# KiCad board MEP-MAXI-85V-1-REV-2-Interface-Board.kicad_pcb (continued)
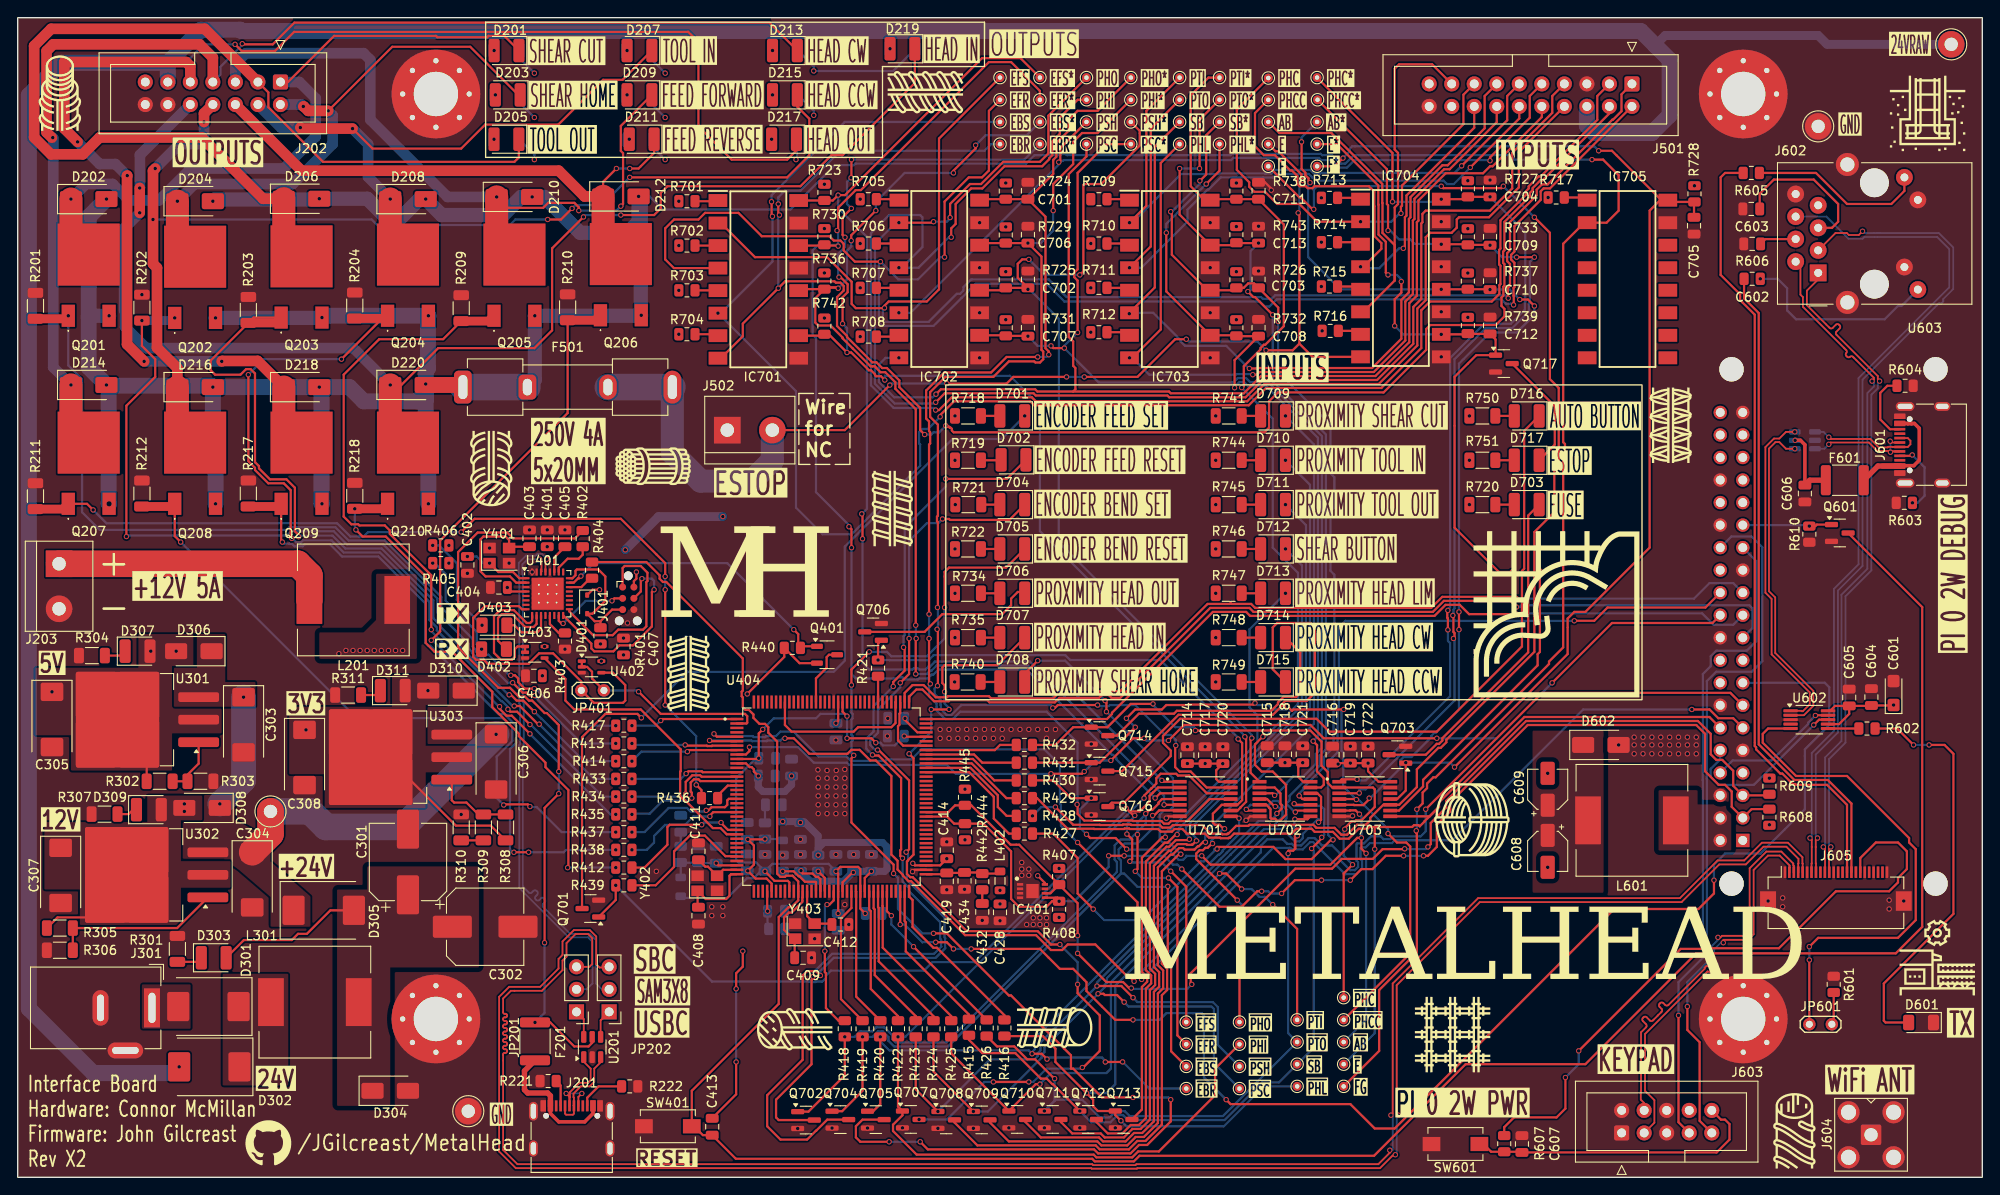
[diagram p0: board, top side]
## Nets (continued)
/ATMEL SAM3X8/XOUT32: C412.1 U404.49 Y403.3
/ATMEL SAM3X8/XTAL1: C402.1 U401.1 Y401.1
/ATMEL SAM3X8/XTAL2: C403.1 U401.2 Y401.3
/Output Connections/2D+: J201.A6 J201.B6 U201.1
/Output Connections/2D-: J201.A7 J201.B7 U201.3
/Output Connections/FUSED_GND: D202.2 D204.2 D206.2 D208.2 D210.2 D212.2 D214.2 D216.2 D218.2 D220.2 F501.1 IC705.2 Q201.3 Q202.3 Q203.3 Q204.3 Q205.3 Q206.3 Q207.3 Q208.3 Q209.3 Q210.3 TP705.1
/Output Connections/SBC-USB2-D+: J605.5 JP201.3
/Output Connections/SBC-USB2-D-: J605.4 JP202.3
/Output Connections/SOL_FEED_FORWARD: D209.1 D210.1 J202.5 Q205.2
/Output Connections/SOL_FEED_REVERSE: D211.1 D212.1 J202.6 Q206.2
/Output Connections/SOL_HEAD_CCW: D215.1 D216.1 J202.8 Q208.2
/Output Connections/SOL_HEAD_CW: D213.1 D214.1 J202.7 Q207.2
/Output Connections/SOL_HEAD_IN: D219.1 D220.1 J202.10 Q210.2
/Output Connections/SOL_HEAD_OUT: D217.1 D218.1 J202.9 Q209.2
/Output Connections/SOL_SHEER_CUT: D201.1 D202.1 J202.1 Q201.2
/Output Connections/SOL_SHEER_HOME: D203.1 D204.1 J202.2 Q202.2
/Output Connections/SOL_TOOL_IN: D207.1 D208.1 J202.4 Q204.2
/Output Connections/SOL_TOOL_OUT: D205.1 D206.1 J202.3 Q203.2
/Output Connections/USBC-D+: JP201.1 U201.6
/Output Connections/USBC-D-: JP202.1 U201.4
/Output Connections/VUSB: F201.1 J201.A4 J201.A9 J201.B4 J201.B9
/Pi Zero 2W SBC/2D+: J601.A6 J601.B6 U601.1
/Pi Zero 2W SBC/2D-: J601.A7 J601.B7 U601.3
/Pi Zero 2W SBC/D+: U601.6 U602.1
/Pi Zero 2W SBC/D-: U601.4 U602.2
/Pi Zero 2W SBC/EPHY-RXN: J602.R6 J605.7
/Pi Zero 2W SBC/EPHY-RXP: J602.R3 J605.8
/Pi Zero 2W SBC/EPHY-TXN: J602.R2 J605.10
/Pi Zero 2W SBC/EPHY-TXP: J602.R1 J605.11
/Pi Zero 2W SBC/LINEOUTL: J605.22
/Pi Zero 2W SBC/LINEOUTR: J605.23
/Pi Zero 2W SBC/LRADC: J605.13
/Pi Zero 2W SBC/PC12: U603.36
/Pi Zero 2W SBC/PC15: J605.15 R605.2
/Pi Zero 2W SBC/PC16: J605.16 R606.2
/Pi Zero 2W SBC/PH4: U603.18
/Pi Zero 2W SBC/PH10/IR_RX: J605.17
/Pi Zero 2W SBC/PI0/ATSAM3X8E-RESET: Q601.1 R610.1 U603.29
/Pi Zero 2W SBC/PI2: U603.35
/Pi Zero 2W SBC/PI3: U603.40
/Pi Zero 2W SBC/PI4: U603.38
/Pi Zero 2W SBC/PI13: U603.7
/Pi Zero 2W SBC/PI15: U603.31
/Pi Zero 2W SBC/PI16: U603.37
/Pi Zero 2W SBC/PWM1: U603.32
/Pi Zero 2W SBC/PWM2: U603.33
/Pi Zero 2W SBC/PWM4/UART4_RX: U603.16
/Pi Zero 2W SBC/PWRON: J605.18 R607.1
/Pi Zero 2W SBC/PWRSW: C607.1 J603.10 R607.2 SW601.1
/Pi Zero 2W SBC/SPI1_CS1: U603.26
/Pi Zero 2W SBC/TNOW: R602.2 U602.6
/Pi Zero 2W SBC/TV-OUT: J605.20
/Pi Zero 2W SBC/TWI2_SCL/UART3_TX: J603.9 U603.28
/Pi Zero 2W SBC/TWI2_SDA/UART3_RX: J603.7 U603.27
/Pi Zero 2W SBC/UART0_RX: U602.8 U603.10
/Pi Zero 2W SBC/UART0_TX: U602.9 U603.8
/Pi Zero 2W SBC/USB3-D+: J603.4 J605.3
/Pi Zero 2W SBC/USB3-D-: J603.3 J605.2
/Pi Zero 2W SBC/VUSB: F601.1 J601.A4 J601.A9 J601.B4 J601.B9
/Pi Zero 2W SBC/VUSB-FUSED: C606.1 F601.2 U601.5
/Pi Zero 2W SBC/~{CTS}: JP601.1 U602.5
/Signal Processing/AUTO_BUTTON: IC704.6 J501.17 TP733.1
/Signal Processing/AUTO_BUTTON*: C710.1 IC704.12 R737.2 TP737.1 U703.5
/Signal Processing/ENCODER_BEND_RESET: IC701.8 J501.4 TP743.1
/Signal Processing/ENCODER_BEND_RESET*: IC701.10 R742.2 TP747.1 U701.9
/Signal Processing/ENCODER_BEND_SET: IC701.6 J501.3 TP730.1
/Signal Processing/ENCODER_BEND_SET*: IC701.12 R736.2 TP734.1 U701.5
/Signal Processing/ENCODER_FEED_RESET: IC701.4 J501.2 TP717.1
/Signal Processing/ENCODER_FEED_RESET*: IC701.14 R730.2 TP721.1 U701.3
/Signal Processing/ENCODER_FEED_SET: IC701.2 J501.1 TP701.1
/Signal Processing/ENCODER_FEED_SET*: IC701.16 R723.2 TP706.1 U701.1
/Signal Processing/ESTOP: F501.2 IC704.8 J502.2 TP746.1
/Signal Processing/ESTOP*: C712.1 IC704.10 Q717.1 R739.2 TP750.1 U703.9
/Signal Processing/FUSE*: C705.1 IC705.16 Q703.1 R728.2 TP710.1 U703.11
/Signal Processing/PROXIMITY_HEAD_CCW: IC704.4 J501.16 TP720.1
/Signal Processing/PROXIMITY_HEAD_CCW*: C709.1 IC704.14 R733.2 TP724.1 U703.3
/Signal Processing/PROXIMITY_HEAD_CW: IC704.2 J501.15 TP704.1
/Signal Processing/PROXIMITY_HEAD_CW*: C704.1 IC704.16 R727.2 TP709.1 U703.1
/Signal Processing/PROXIMITY_HEAD_IN: IC702.4 J501.8 TP718.1
/Signal Processing/PROXIMITY_HEAD_IN*: C706.1 IC702.14 R729.2 TP722.1 U701.13
/Signal Processing/PROXIMITY_HEAD_LIM: IC703.8 J501.14 TP745.1
/Signal Processing/PROXIMITY_HEAD_LIM*: C708.1 IC703.10 R732.2 TP749.1 U702.13
/Signal Processing/PROXIMITY_HEAD_OUT: IC702.2 J501.7 TP702.1
/Signal Processing/PROXIMITY_HEAD_OUT*: C701.1 IC702.16 R724.2 TP707.1 U701.11
/Signal Processing/PROXIMITY_SHEAR_CUT: IC702.8 J501.10 TP744.1
/Signal Processing/PROXIMITY_SHEAR_CUT*: C707.1 IC702.10 R731.2 TP748.1 U702.3
/Signal Processing/PROXIMITY_SHEAR_HOME: IC702.6 J501.9 TP731.1
/Signal Processing/PROXIMITY_SHEAR_HOME*: C702.1 IC702.12 R725.2 TP735.1 U702.1
/Signal Processing/PROXIMITY_TOOL_IN: IC703.2 J501.11 TP703.1
/Signal Processing/PROXIMITY_TOOL_IN*: C711.1 IC703.16 R738.2 TP708.1 U702.5
/Signal Processing/PROXIMITY_TOOL_OUT: IC703.4 J501.12 TP719.1
/Signal Processing/PROXIMITY_TOOL_OUT*: C713.1 IC703.14 R743.2 TP723.1 U702.9
/Signal Processing/SHEAR_BUTTON: IC703.6 J501.13 TP732.1
/Signal Processing/SHEAR_BUTTON*: C703.1 IC703.12 R726.2 TP736.1 U702.11
/Signal Processing/~{AUTO_BUTTON}: Q716.1 R430.2 TP741.1 U703.6
/Signal Processing/~{ENCODER_BEND_RESET}: Q705.1 R420.2 TP751.1 U701.8
/Signal Processing/~{ENCODER_BEND_SET}: Q704.1 R419.2 TP738.1 U701.6
/Signal Processing/~{ENCODER_FEED_RESET}: Q702.1 R418.2 TP725.1 U701.4
/Signal Processing/~{ENCODER_FEED_SET}: Q701.1 R439.2 TP711.1 U701.2
/Signal Processing/~{ESTOP}: R429.2 TP754.1 U603.12 U703.8
/Signal Processing/~{FUSE}: R428.2 TP715.1 U703.10
/Signal Processing/~{PROXIMITY_HEAD_CCW}: Q715.1 R431.2 TP728.1 U703.4
/Signal Processing/~{PROXIMITY_HEAD_CW}: Q714.1 R432.2 TP714.1 U703.2
/Signal Processing/~{PROXIMITY_HEAD_IN}: Q707.1 R422.2 TP726.1 U701.12
/Signal Processing/~{PROXIMITY_HEAD_LIM}: Q713.1 R416.2 TP753.1 U702.12
/Signal Processing/~{PROXIMITY_HEAD_OUT}: Q706.1 R421.2 TP712.1 U701.10
/Signal Processing/~{PROXIMITY_SHEAR_CUT}: Q709.1 R424.2 TP752.1 U702.4
/Signal Processing/~{PROXIMITY_SHEAR_HOME}: Q708.1 R423.2 TP739.1 U702.2
/Signal Processing/~{PROXIMITY_TOOL_IN}: Q710.1 R425.2 TP713.1 U702.6
/Signal Processing/~{PROXIMITY_TOOL_OUT}: Q711.1 R426.2 TP727.1 U702.8
/Signal Processing/~{SHEAR_BUTTON}: Q712.1 R415.2 TP740.1 U702.10
SCL: IC401.6 R407.2 R445.1 R609.2 U404.87 U603.5
SDA: IC401.5 R408.1 R444.2 R608.1 U404.86 U603.3
Net-(C431-Pad1): C431.1 R441.1
Net-(C432-Pad1): C432.1 R442.1
Net-(C437-Pad1): C437.1 R443.1
Net-(D201-A): D201.2 R205.2
Net-(D203-A): D203.2 R206.2
Net-(D205-A): D205.2 R207.2
Net-(D207-A): D207.2 R208.2
Net-(D209-A): D209.2 R213.2
Net-(D211-A): D211.2 R214.2
Net-(D213-A): D213.2 R215.2
Net-(D215-A): D215.2 R216.2
Net-(D217-A): D217.2 R219.2
Net-(D219-A): D219.2 R220.2
Net-(D301-A): D301.2 J301.1
Net-(D301-K): D301.1 D302.1 L301.1
Net-(D303-A): C301.1 C302.1 D303.2 D304.1 D305.2 L301.2
Net-(D303-K): D303.1 R301.2
Net-(D307-K): D307.1 R304.2
Net-(D309-K): D309.1 R307.2
Net-(D311-K): D311.1 R311.2
Net-(D402-A): D402.2 R405.1
Net-(D403-A): D403.2 R406.1
Net-(D601-A): D601.2 R602.1
Net-(D602-K): C608.1 C609.1 D602.1 L601.2
Net-(D701-A): D701.2 R718.1
Net-(D701-K): D701.1 Q701.3
Net-(D702-A): D702.2 R719.1
Net-(D702-K): D702.1 Q702.3
Net-(D703-A): D703.2 R720.1
Net-(D703-K): D703.1 Q703.3
Net-(D704-A): D704.2 R721.1
Net-(D704-K): D704.1 Q704.3
Net-(D705-A): D705.2 R722.1
Net-(D705-K): D705.1 Q705.3
Net-(D706-A): D706.2 R734.1
Net-(D706-K): D706.1 Q706.3
Net-(D707-A): D707.2 R735.1
Net-(D707-K): D707.1 Q707.3
Net-(D708-A): D708.2 R740.1
Net-(D708-K): D708.1 Q708.3
Net-(D709-A): D709.2 R741.1
Net-(D709-K): D709.1 Q709.3
Net-(D710-A): D710.2 R744.1
Net-(D710-K): D710.1 Q710.3
Net-(D711-A): D711.2 R745.1
Net-(D711-K): D711.1 Q711.3
Net-(D712-A): D712.2 R746.1
Net-(D712-K): D712.1 Q712.3
Net-(D713-A): D713.2 R747.1
Net-(D713-K): D713.1 Q713.3
Net-(D714-A): D714.2 R748.1
Net-(D714-K): D714.1 Q714.3
Net-(D715-A): D715.2 R749.1
Net-(D715-K): D715.1 Q715.3
Net-(D716-A): D716.2 R750.1
Net-(D716-K): D716.1 Q716.3
Net-(D717-A): D717.2 R751.1
Net-(D717-K): D717.1 Q717.3
Net-(IC701-A_1): IC701.1 R701.2
Net-(IC701-A_2): IC701.3 R702.2
Net-(IC701-A_3): IC701.5 R703.2
Net-(IC701-A_4): IC701.7 R704.2
Net-(IC702-A_1): IC702.1 R705.2
Net-(IC702-A_2): IC702.3 R706.2
Net-(IC702-A_3): IC702.5 R707.2
Net-(IC702-A_4): IC702.7 R708.2
Net-(IC703-A_1): IC703.1 R709.2
Net-(IC703-A_2): IC703.3 R710.2
Net-(IC703-A_3): IC703.5 R711.2
Net-(IC703-A_4): IC703.7 R712.2
Net-(IC704-A_1): IC704.1 R713.2
Net-(IC704-A_2): IC704.3 R714.2
Net-(IC704-A_3): IC704.5 R715.2
Net-(IC704-A_4): IC704.7 R716.2
Net-(IC705-A_1): IC705.1 R717.2
Net-(J201-CC1): J201.A5 R221.2
Net-(J201-CC2): J201.B5 R222.2
Net-(J601-CC1): J601.A5 R603.2
Net-(J601-CC2): J601.B5 R604.2
Net-(J602-PadL1): J602.L1 R605.1
Net-(J602-PadL4): J602.L4 R606.1
Net-(J602-RCT): C603.1 J602.R5
Net-(J602-TCT): C602.1 J602.R4
Net-(JP601-B): JP601.2 R601.1
Net-(Q401-D): Q401.3 U404.130
Net-(R309-Pad2): R309.2 R310.1
Net-(U301-ADJ): R302.2 R303.1 U301.1
Net-(U302-ADJ): R305.2 R306.1 U302.1
Net-(U303-ADJ): R308.2 R309.1 U303.1
Net-(U401-PC4): R402.1 U401.26
Net-(U603-5V_2): L601.1 U603.2 U603.4

Pads without a net: IC705 3 4 5 6 7 8 9 10 11 12 13 14; J201 A8 B8; J202 13; J501 18 19; J601 A8 B8; J602 R7; J605 9 14; U401 5 6 7 12 14 18 19 20 21 25; U404 37 38 39 42 43 50 69 93 117 131 138 141 143; U602 4; U603 1 17; U703 12

## Via types
v1: diameter 0.6, hole 0.4, Top to Bottom, 816 vias
v2: diameter 1, hole 0.6, Top to Bottom, 1 via

## Routing (per net, layer and track width the routed paths; a pad name or vN(x,y) marks a point on that pad's centre or on a via; arc(x,y) is an arc through that point)
24VRAW: length 368.1
  Bottom w1: TP729.1 204,127.75 203,128.75 185.75,128.75 184.62,127.62
  Bottom w1.8: J202.11 16.92,125.67 ; 16.92,125.67 20.65,129.4 25.08,129.4 25.23,129.25 183,129.25 186.25,126 186.25,119.75 184.25,117.75 177.75,117.75 176.92,118.58 J501.6 ; 16.92,125.67 4.92,125.67 1.25,122 1.25,19 8.5,11.75 17.5,11.75 v1(18.2,12.45)
+3V3: length 636.8
  Top w0.25: v1(94.22,34.38) 94.12,34.38 93,33.25 U404.57 ; U602.7 205.35,51.1 206.5,52.25 C605.1 ; Q401.2 88.15,57.97 86.42,59.69 86.42,58.67 v1(82.25,54.5) ; v1(81,13) 81,9.35 C413.1 ; R308.1 53.34,39.65 49.4,39.65 44.45,44.6 U303.2 ; v1(104.75,35.92) 104,35.17 U404.75 101.15,35.17 v1(100.92,35.4) ; v1(115,34) 115.81,33.19 IC401.8 ; U702.14 144.93,44.6 144.38,45.15 144.38,46.25 v1(144.88,46.75) v1(142.88,46.75) C715.2 ; U703.14 153.43,44.6 152.25,45.78 v1(152.25,46.7) v1(150.25,46.7) 148.99,46.7 v1(148.88,46.59) ; U602.10 204.35,52.6 204.9,53.15 C605.1 ; U404.105 101.44,50.17 100.04,51.56 v1(100.04,51.75) ; U404.62 95.5,33.75 v1(96.25,34.5) ; C605.1 208.95,53.15 C604.1 211.45,53.2 v1(211.5,53.25) ; v1(88.32,34.57) 88.32,34.43 88.5,34.25 89.61,34.25 89.99,33.87 90.24,33.87 90.5,33.61 U404.52 ; v1(92.25,51.2) 92.5,51.45 U404.125 ; U404.11 82.11,46.67 82.53,46.25 82.75,46.25 83,46 83,45.75 v1(83.5,45.25) ; v1(131.88,46.65) v1(133.88,46.65) C720.2 v1(135.87,46.64) 135.13,45.9 135.13,44.9 135.43,44.6 U701.14 ; v1(81,21.25) 81,23 81.75,23.75 v1(81.75,25.5)
  In2.Cu w0.25: v1(59.4,59.85) 59.4,58.15 59.15,57.9 v1(59.15,56.55) 58.2,57.5 55.25,57.5 51.75,54 47.12,54 v1(46.25,54.87)
  In2.Cu w1: v1(137.4,96.7) 136.7,96 129.5,96 127.25,93.75 120.25,93.75 118.25,91.75 117,91.75 116.25,91 112.5,91 112.25,91.25 111.5,91.25 ; v1(137.4,96.7) 139.3,96.7 145,91 161.75,91 163.5,92.75 v1(163.5,96.96) 163.5,107 ; v1(137.4,96.7) v1(137.4,112.12) ; v1(152.25,46.7) 153.45,46.7 155,48.25 172,48.25 186.75,63 186.75,93 189.25,95.5 198.5,95.5 205.4,88.6 205.4,70.6 211.5,64.5 v1(211.5,53.25) 211.5,49.5 207,45 v1(197.5,45) v1(197.5,39.75) ; 163.5,107 185.62,107 189.05,110.43 v1(189.05,111.81) ; 163.5,107 v1(163.5,112.38) ; 111.5,91.25 99,91.25 98.5,91.75 91,91.75 ; 111.5,91.25 111.4,91.35 v1(111.4,96.7) v1(111.4,112.12) ; v1(90.95,111.97) 90.95,91.8 91,91.75 ; 91,91.75 91,83.25 84.5,76.75 77,76.75 77,57.75 74,54.75 72.25,54.75 70.5,53 67.25,53 66,51.75 66,49.25 63.38,46.62
  In2.Cu w1.4: v1(81.75,25.5) 70.5,25.5 64,32 64,46 62.65,47.35 53.7,47.35 46.25,54.8 v1(46.25,54.87) ; v1(117.41,34.83) 118.82,34.83 123,39 123,42 127.65,46.65 129.6,46.65
  Bottom w0.25: v1(81,13) v1(81,21.25)
  Bottom w0.8: v1(83.5,45.25) 83.5,44 84,43.5 86.5,43.5 87.25,44.25 v1(87.25,45.25) ; v1(86.25,40.11) 88.14,40.11 v1(88.25,40) 88.75,40 90.25,38.5 v1(90.25,36.33) 90.25,37.1 90.9,37.75 97.5,37.75 98,37.25 98,34.75 97.75,34.5 v1(96.25,34.5) C436.1 93.14,33.39 89.36,33.39 C416.1
  vias: v1(32.5,50.45) v1(90.95,106.97) v1(90.95,101.97) v1(90.95,96.88) v1(106.8,43.76) v1(106.8,38.05) v1(110.75,32.36) v1(110.75,30.82) v1(111.4,107.16) v1(111.4,102.12) v1(117.41,29.3) v1(137.4,107.2) v1(137.4,102.12) v1(163.5,106.96) v1(163.5,101.96)
+5V: length 649.3
  Top w0.25: R302.1 14.54,47.96 U301.2 ; U401.4 55.65,66.05 v1(55.2,66.5) ; D401.1 64.8,66.25 v1(65.6,66.25) ; J401.2 69.47,67.22 69.75,67.5 v1(69.75,68.25)
  In2.Cu w1: v1(105.64,55.85) 105.64,85.81 v1(105.67,85.85) 105.67,86.17 107.5,88 135,88 ; v1(87.75,114.75) 89.75,116.75 v1(89.75,124.75) 89.5,125 73.5,125 v1(73,124.5) ; v1(105.71,75.85) 105.71,75.92 105.64,76 92,76 90.5,74.5 v1(79.5,74.5) ; 135,88 135.07,87.93 v1(135.07,85.85) v1(135.07,55.85) ; 135,88 162.5,88 163.67,86.83 v1(163.67,85.85) v1(163.67,75.85) ; v1(48.61,71.25) 47.8,72.06 47.8,91.05 51.75,95 51.75,113.5 53,114.75 v1(58.25,114.75) v1(58.25,124.5) 58.75,125 72.5,125 v1(73,124.5) ; v1(73,124.5) v1(73,114.75)
  In2.Cu w1.4: v1(17.86,59.32) 26.24,67.7 47.95,67.7 48.61,68.36 v1(48.61,69.25)
  In2.Cu w2: 170.5,17.25 185.25,17.25 188.46,14.04 J603.8
  In2.Cu w3: v1(3.86,54.74) 3.86,39.64 20.25,23.25 20.25,12.5 21.6,11.15 49.93,11.15 53.63,14.85 68.65,14.85 81.5,2 145.25,2 152.75,9.5 166.75,9.5 170.5,13.25 170.5,20.75 185,35.25 185,48.25
  Bottom w0.25: v1(89.75,119.75) 89.75,120.26 R216.1 ; v1(58.25,119.5) 56.67,121.08 R206.1 ; R207.1 58.25,115.31 v1(58.25,114.75) ; v1(73,124.5) 71.5,126 R208.1 ; v1(87.75,114.75) 87.86,114.86 R219.1 ; R214.1 71.67,116.08 v1(73,114.75) ; v1(58.25,124.5) 56.57,126.18 R205.1 ; R213.1 71.5,121 v1(73,119.5) ; R215.1 89.75,125.26 v1(89.75,124.75) 98.71,124.75 R220.1
  Bottom w1: v1(68.5,70.75) 72.25,74.5 v1(79.5,74.5)
  vias: v1(15,59.32) v1(58,68.25) v1(59.7,71.1) v1(65.7,60.14) v1(65.8,58.2) v1(68.3,58.9) v1(105.67,80.85) v1(105.67,70.85) v1(105.67,65.85) v1(105.67,60.85) v1(135.07,80.85) v1(135.07,75.85) v1(135.07,70.85) v1(135.07,65.85) v1(135.07,60.85) v1(163.67,80.85) v1(180.5,48.75) v1(182.25,49.62) v1(182.25,48.75) v1(182.25,47.75) v1(183.25,49.62) v1(183.25,48.75) v1(183.25,47.75) v1(184.25,49.62) v1(184.25,48.75) v1(184.25,47.75) v1(185.25,49.62) v1(185.25,48.75) v1(185.25,47.75) v1(186.25,49.62) v1(186.25,48.75) v1(186.25,47.75) v1(187.25,49.62) v1(187.25,48.75) v1(187.25,47.75) v1(188.25,49.62) v1(188.25,48.75) v1(188.25,47.75) v1(189.25,49.62) v1(189.25,48.75) v1(189.25,47.75)
+12V: length 45.8
  Top w0.25: U302.2 7.84,29.3 4.49,29.3 R305.1
  In2.Cu w3: 18.79,40.85 v1(18.79,41.25) 18.79,44.04 19.5,44.75 28,44.75 28.8,45.55 28.8,51.62 v1(36.21,59.04) 36.58,59.4 v1(37,59.4) v1(38.6,59.4) v1(39.4,59.4) v1(40.2,59.4) v1(41,59.4) v1(41.8,59.4) v1(42.6,59.4) v1(43.4,59.4) 43.6,59.4
  vias: v1(18.79,42.1) v1(37.8,59.4)
+24V: length 292.6
  Top w1.8: 25.46,54.14 v1(25.46,54.14)
  Top w3: TP716.1 28.5,38.72 C304.1
  In2.Cu w1: v1(146.98,110.44) 143.81,110.44 141.45,112.8 140.5,112.8 139.8,113.5 139.8,114.45 139.25,115 127,115 122.29,110.29 R709.1 ; v1(146.98,110.44) 153.19,110.44 159,116.25 166.25,116.25 172.02,110.48 v1(172.55,110.48) ; v1(146.98,110.44) 147.12,110.3 147.12,108.73 147.07,108.68 v1(147.07,95.44) ; v1(94.99,94.79) v1(94.99,105.29) v1(94.99,110.29) ; v1(94.99,110.29) 94.47,110.29 91.52,113.25 77.03,113.25 74.54,110.76 v1(74.54,110.06) v1(74.54,95.06) 72.31,95.06 69.25,92 69.25,77 74.75,71.5 74.75,58.25 73.25,56.75 62.75,56.75 60.75,54.75 60.75,50.25 59.5,49 54.88,49 v1(53.94,49.95) ; v1(94.99,110.29) 104.29,110.29 107.31,113.31 115.94,113.31 118.96,110.29 R709.1 ; R709.1 v1(120.99,95.29)
  Bottom w2.8: v1(22.79,42.1) 25.46,44.77 v1(25.46,54.14)
  Bottom w3: TP716.1 33,41.25 34.75,39.5 43.49,39.5 v1(53.94,49.95)
  vias: v1(74.54,105.06) v1(74.54,100.01) v1(94.99,100.29) v1(120.99,105.29) v1(120.99,100.29) v1(146.98,105.44) v1(146.98,100.44)
/ATMEL SAM3X8/VDDANA: length 8.6
  Top w0.25: L402.2 110.51,34.25 108.75,34.25 108.62,34.37 C434.1 106.7,34.32 C419.1 104.6,34.17 U404.73
/ATMEL SAM3X8/VDDCORE: length 83.7
  Top w0.25: v1(92.5,29.75) U404.56 92.5,34.25 v1(92.25,34.5) 92.75,35 94.75,35 95,34.75 U404.61 95,30.3 v1(95.55,29.75) ; U404.45 87,33.25 86.83,33.42 85.33,33.42 v1(84.25,34.5) ; v1(99.95,49.75) 100.03,49.67 U404.104 ; v1(93.5,49.5) 96.25,49.5 v1(96.75,49) ; v1(93.5,52) 93,52.5 U404.124 ; U404.10 83.47,47.17 v1(83.55,47.25) 83.55,50.05 v1(84,50.5)
  Bottom w0.25: v1(96.75,49) 97.25,49 97.55,48.7 98.9,48.7 v1(99.95,49.75) ; v1(84,50.5) 85.25,51.75 90,51.75 90.5,52.25 93.25,52.25 v1(93.5,52) v1(93.5,49.5) ; v1(84.25,34.5) 83.75,34.5 82.97,33.72 82.22,33.72 80,31.5 74.94,31.5 L403.2 ; v1(84.25,34.5) 85.09,35.34 91.41,35.34 v1(92.25,34.5) ; v1(84.25,34.5) 83.25,35.5 81.25,35.5 81,35.75 81,45 83.25,47.25 v1(83.55,47.25)
/ATMEL SAM3X8/VDDPLL: length 8.2
  Top w0.25: U404.34 79,35.17 v1(78.75,35.42)
  Bottom w0.25: v1(78.75,35.42) 76.8,35.42 C438.1 74.78,35.47 R443.2 L403.1
/ATMEL SAM3X8/VDDUTMI: length 12.3
  Top w0.25: U404.41 85,33.11 84.43,33.68 83.18,33.68 v1(82.32,34.55) 82.32,34.57 83,35.25 83,37.42 v1(82.32,38.1) 84.21,38.1 v1(84.25,38.14)
  Bottom w0.25: L401.2 86.1,38.14 v1(84.25,38.14)
/Output Connections/+12V-HMI: length 31.5
  Top w3: J203.1 31.57,69.18 32.89,67.86 L201.2
GND: length 8.3
  Top w0.25: U404.74 101.09,34.67 v1(100.89,34.46) ; v1(150.5,40.75) 150.45,40.7 U703.7 ; v1(141.33,111.3) 141.33,111.48 140.62,112.19 C711.2 ; v1(138.5,40.25) 138.95,40.7 U702.7 ; U701.7 129.7,40.7 v1(129.5,40.5)
  vias: v1(14,99.52) v1(50,40.91) v1(50.7,68.1) v1(53.2,70.95) v1(55.4,69.25) v1(57.7,73) v1(59.7,73) v1(61.7,73) v1(61.7,59.55) v1(68.3,60.8) v1(68.75,62.5) v1(72,34.5) v1(78.25,30.5) v1(78.25,29.5) v1(79.5,30.5) v1(79.5,29.5) v1(84.25,36.4) v1(86.25,36.33) v1(87.94,5.5) v1(88.25,38.1) v1(88.25,36.4) v1(89.5,24.75) v1(89.85,26.9) v1(90.22,45.94) v1(90.25,45) v1(90.25,44) v1(90.25,43) v1(90.25,42) v1(90.25,41) v1(91.25,45.88) v1(91.25,45) v1(91.25,44) v1(91.25,43) v1(91.25,42) v1(91.25,41) v1(91.81,5.55) v1(92.25,49.3) v1(92.25,45) v1(92.25,44) v1(92.25,43) v1(92.25,42) v1(92.25,41) v1(92.25,36.4) v1(92.28,45.88) v1(93.25,46) v1(93.25,45) v1(93.25,44) v1(93.25,43) v1(93.25,42) v1(93.25,41) v1(93.25,30.75) v1(93.7,28.5) v1(94.25,36.4) v1(95.81,5.55) v1(96.25,36.4) v1(98.05,49.75) v1(98.1,51.75) v1(99.75,5.57) v1(103.75,5.52) v1(104,50.5) v1(104,49.5) v1(104.75,37.82) v1(104.75,32.42) v1(105,50.5) v1(105,49.5) v1(106,50.5) v1(106,49.5) v1(106.75,32.47) v1(107,50.5) v1(107,49.5) v1(107.75,5.52) v1(108,50.5) v1(108,49.5) v1(108.45,107.64) v1(108.45,102.56) v1(108.45,97.48) v1(108.45,92.4) v1(108.75,28.97) v1(109,50.5) v1(109,49.5) v1(110,50.5) v1(110,49.5) v1(110.75,28.92) v1(111,50.5) v1(111,49.5) v1(111.75,5.57) v1(112,50.5) v1(113,50.5) v1(113.2,35.5) v1(113.2,34.75) v1(113.2,34.05) v1(113.75,28.5) v1(114,50.5) v1(114,34.75) v1(114,34.05) v1(114.5,29.25) v1(114.5,28.5) v1(115,50.5) v1(115.25,29.25) v1(115.25,28.5) v1(115.75,5.57) v1(116,50.5) v1(116,49.5) v1(116,29.25) v1(116,28.5) v1(117,50.5) v1(119.75,5.57) v1(121.04,48.85) v1(121.04,44.85) v1(121.04,40.85) v1(123.75,5.57) v1(131.88,48.55) v1(133.88,48.55) v1(134.45,107.64) v1(134.45,102.56) v1(134.45,97.48) v1(134.45,92.4) v1(135.88,48.55) v1(139.9,107.24) v1(139.9,102.19) v1(144.88,48.65) v1(150.25,48.6) v1(152.25,48.6) v1(160.5,107.75) v1(160.5,102.67) v1(160.5,97.59) v1(160.5,92.51) v1(166,112.45) v1(172.5,45.55) v1(172.5,34.95) v1(197.35,31.15) v1(199,31.5) v1(199,30.5) v1(211,31.25) v1(211,30.25) v1(212.65,31.15)
/ATMEL SAM3X8/ATMEGA16U2-D+: length 59.7
  Top w0.2: v1(59.65,69.7) 59.5,69.54 U401.29
  Bottom w0.2: JP201.2 64.14,21.19 64.8,21.85 64.8,26.57 64.32,27.05 62.12,27.05 56.55,32.62 56.55,48.74 56.64,48.83 56.64,53.33 56.55,53.42 56.55,67.78 56.49,67.83 56.49,69.28 57.31,70.1 58.4,70.1 58.6,70.3 59.1,70.3 59.45,69.95 59.45,69.89 v1(59.65,69.7)
/ATMEL SAM3X8/ATMEGA16U2-D-: length 59.7
  Top w0.2: U401.30 59.05,68.3 59.05,69.49 v1(58.85,69.7)
  Bottom w0.2: v1(58.85,69.7) 57.48,69.7 56.9,69.11 56.9,68 56.95,67.95 56.95,53.59 57.04,53.5 57.04,48.66 56.95,48.57 56.95,32.78 57.63,32.11 arc(57.79,32.04) 57.96,32.11 58.16,32.3 arc(58.33,32.37) 58.49,32.3 58.58,32.22 arc(58.65,32.05) 58.58,31.88 58.39,31.69 arc(58.32,31.52) 58.39,31.35 58.47,31.26 arc(58.64,31.19) 58.81,31.26 59,31.45 arc(59.17,31.52) 59.34,31.45 59.43,31.37 arc(59.5,31.2) 59.43,31.03 59.24,30.84 arc(59.17,30.67) 59.24,30.5 62.28,27.45 64.48,27.45 65.2,26.73 65.2,21.85 65.86,21.19 JP202.2
/ATMEL SAM3X8/D22/PIN22: length 12.1
  Top w0.25: v1(72.5,51.5) 72.67,51.67 U404.1
  Bottom w0.25: v1(69.25,50.92) 71.92,50.92 v1(72.5,51.5)
/ATMEL SAM3X8/D23/PIN23: length 12
  Top w0.25: v1(75.25,48.75) 75.33,48.67 77.7,48.67 77.74,48.62 78.26,48.62 78.3,48.67 U404.7
  Bottom w0.25: v1(75.25,48.75) 69.42,48.75 v1(69.25,48.92)
/ATMEL SAM3X8/D24/PIN24: length 12.3
  Top w0.25: v1(75.5,47.99) 75.68,48.17 U404.8
  Bottom w0.25: v1(69.25,46.92) 70.32,47.99 v1(75.5,47.99)
/ATMEL SAM3X8/D25/PIN25: length 12.2
  Top w0.25: U404.13 77.24,45.67 77.13,45.78 75.62,45.78 v1(75.36,45.51)
  Bottom w0.25: v1(75.36,45.51) 74.77,44.92 v1(69.25,44.92)
/ATMEL SAM3X8/D26/PIN26: length 13.7
  Top w0.25: U404.14 77.1,45.17 76.95,45.33 76.05,45.33 75.31,44.58 v1(75.31,43.22)
  Bottom w0.25: v1(69.25,42.92) 75.05,42.92 75.31,43.19 v1(75.31,43.22)
/ATMEL SAM3X8/D27/PIN27: length 14.8
  Top w0.25: v1(76,42.75) 76,43.37 75.88,43.49 75.88,44.51 76.24,44.88 76.76,44.88 76.96,44.67 U404.15
  Bottom w0.25: v1(76,42.75) 75.72,42.47 72.72,42.47 71.25,41 69.33,41 v1(69.25,40.92)
/ATMEL SAM3X8/D28/PIN28: length 2.9
  Top w0.25: R436.1 78.91,43.03 80.05,44.17 U404.16
/ATMEL SAM3X8/D29/PIN29: length 14
  Top w0.25: v1(77.62,41.38) 77.88,41.38 78.22,41.72 79.72,41.72 80,42 80,42.5 80.17,42.67 U404.19
  Bottom w0.25: v1(77.62,41.38) 77.5,41.25 75.86,41.25 75.47,41.64 73.39,41.64 70.67,38.92 v1(69.25,38.92)
/ATMEL SAM3X8/D30/PIN30: length 14.1
  Top w0.25: v1(78.04,40.69) 78.04,40.71 78,40.75 78.42,41.17 U404.22
  Bottom w0.25: v1(78.04,40.69) 76.17,40.69 75.22,39.74 72.99,39.74 71.75,38.5 71.75,37.75 70.92,36.92 v1(69.25,36.92)
/ATMEL SAM3X8/D31/PIN31: length 15.5
  Top w0.25: v1(79.29,40) 79.29,39.96 80.08,39.17 U404.26 ; v1(77.12,39.75) 73.5,39.75 73.25,39.5 73.25,37.5 70.67,34.92 R412.1
  Bottom w0.25: v1(77.12,39.75) 77.37,40 v1(79.29,40)
/ATMEL SAM3X8/D32/PIN32: length 16.2
  Top w0.25: R439.1 71.92,32.92 74,35 74,36.75 75.78,38.53 77.47,38.53 79.8,36.2 81.05,36.2 U404.32
/ATMEL SAM3X8/D33/PIN33: length 16.5
  Top w0.25: v1(91,25.5) 91,23.13 91.12,23.01 91.12,19.08 92.55,17.66 R418.1 ; v1(91.25,30.75) 91.53,30.75 92,31.22 U404.55
  Bottom w0.25: v1(91,25.5) 91,30.5 v1(91.25,30.75)
/ATMEL SAM3X8/D34/PIN34: length 16.1
  Top w0.25: U404.59 94,30.36 92.82,29.18 92.82,20.09 R419.1
/ATMEL SAM3X8/D35/PIN35: length 15.7
  Top w0.25: R420.1 94.53,20.37 94.53,32.22 U404.60
/ATMEL SAM3X8/D36/PIN36: length 2.9
  Top w0.25: R421.1 U404.116
/ATMEL SAM3X8/D37/PIN37: length 15.9
  Top w0.25: U404.63 96,30.18 96.17,30.01 96.17,21.25 99.25,18.17 R422.1
/ATMEL SAM3X8/D38/PIN38: length 16.6
  Top w0.25: U404.64 96.5,30.32 96.62,30.2 96.62,22.8 101.25,18.17 R423.1
/ATMEL SAM3X8/D39/PIN39: length 17.2
  Top w0.25: R424.1 103.25,18.17 97.08,24.34 97.08,30.38 97,30.46 U404.65
/ATMEL SAM3X8/D40/PIN40: length 17.8
  Top w0.25: U404.66 97.5,30.59 97.53,30.57 97.53,25.89 105.25,18.17 R425.1
/ATMEL SAM3X8/D41/PIN41: length 19.2
  Top w0.25: v1(98.5,29.5) 98,30 U404.67 ; R426.1 101,26 v1(101,26)
  Bottom w0.25: v1(101,26) 98.5,28.5 v1(98.5,29.5)
/ATMEL SAM3X8/D42/PIN42: length 17.4
  Top w0.25: U404.71 100,28.88 100.12,28.76 100.12,25.47 107.25,18.34 R415.1
/ATMEL SAM3X8/D43/PIN43: length 19.2
  Top w0.25: R416.1 111.25,18.27 103.65,25.88 103.24,25.88 100.89,28.23 100.89,31.27 100.5,31.66 U404.72
/ATMEL SAM3X8/D44/PIN44: length 10.4
  Top w0.25: R432.1 110.75,48.75 110.17,48.17 U404.101
/ATMEL SAM3X8/D45/PIN45: length 10.5
  Top w0.25: U404.100 107.83,47.67 108.75,46.75 R431.1
/ATMEL SAM3X8/D46/PIN46: length 11.2
  Top w0.25: U404.99 107.69,47.17 110.11,44.75 R430.1
/ATMEL SAM3X8/D47/PIN47: length 11.8
  Top w0.25: R429.1 111.47,42.75 107.55,46.67 U404.98
/ATMEL SAM3X8/D48/PIN48: length 13.2
  Top w0.25: U404.97 107.42,46.17 110.5,43.09 110.5,41.75 111.5,40.75 R428.1
/ATMEL SAM3X8/D49/PIN49: length 14.5
  Top w0.25: U404.96 107.28,45.67 110.05,42.9 110.05,40.45 111.75,38.75 R427.1
/ATMEL SAM3X8/ERASE_CMD: length 33.5
  Top w0.25: 88,60.25 88,61.25 v1(87.5,61.75) ; Q401.1 88.42,59.87 R440.2 ; 88.62,59.87 88.25,60.24 ; U401.23 62.69,67.05 63.17,67.54 63.29,67.54 63.5,67.75 v1(63.5,67.79)
  Bottom w0.25: v1(87.5,61.75) 80,69.25 64.96,69.25 v1(63.5,67.79)
/ATMEL SAM3X8/FEED_FORWARD: length 83.5
  Top w0.25: v1(46.62,61.75) 46.62,67.88 41.95,72.55 41.95,72.94 41.39,73.5 38.52,73.5 38.39,73.63 37.62,73.63 36.75,74.5 36.75,90.5 40.75,94.5 47.96,94.5 R209.2 ; v1(55.27,52.77) 55.54,52.5 56.3,52.5 v1(57.75,51.05)